# Allegro board LAY-29615_B4.brd (continued)
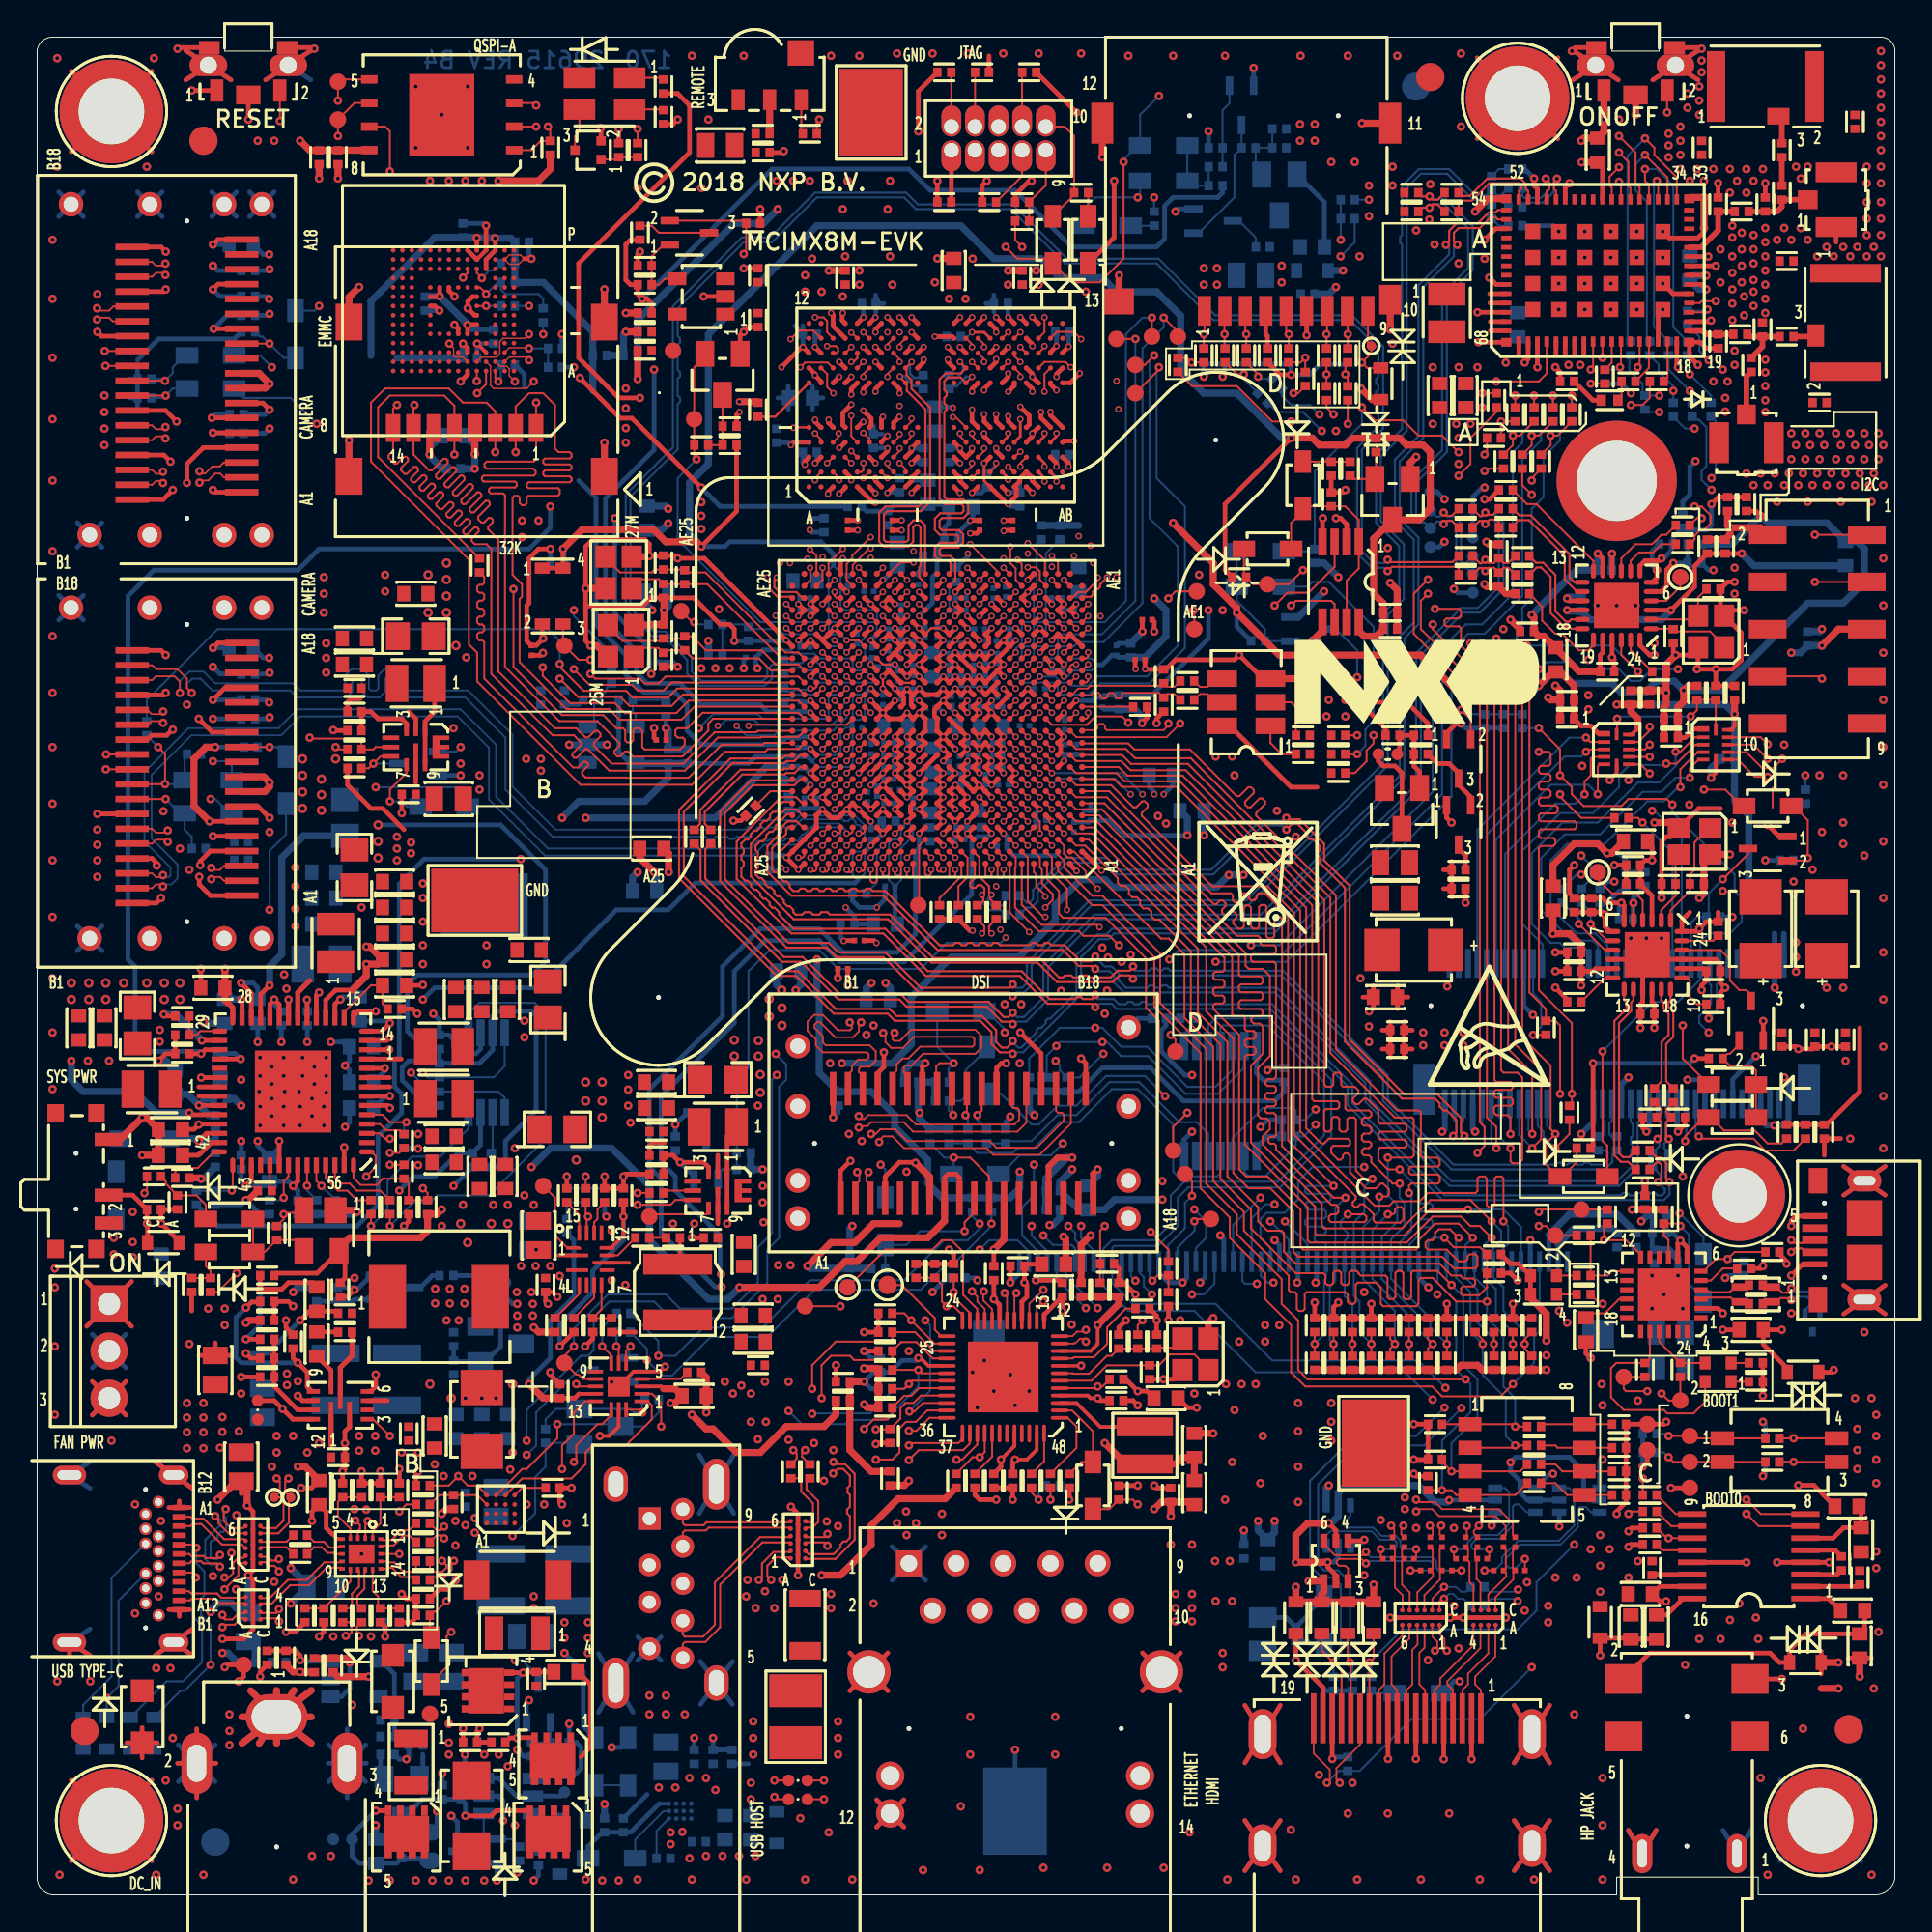
[diagram p0: board, top side]
## Nets (continued)
NVCC_3V3: C1.1 C2.1 C193.1 C194.1 C195.1 C196.1 C197.1 C198.1 C199.1 C501.1 C601.1 C602.1 C603.1 C613.1 C614.1 C617.1 C618.1 C781.1 C804.1 C915.1 C1104.1 C1206.1 C1207.1 C1307.1 C1308.2 C1309.2 C1310.2 C1325.2 C1326.2 C1327.1 C1441.1 C1510.1 C1513.1 C1516.1 C1519.1 C1523.1 C1526.1 C1528.1 C1530.1 C1601.1 C1602.1 C1607.1 C1608.1 C1609.1 C1703.1 D402.A D1003.A D1301.A(ANODE) D1703.1(ANODE1) D1703.3(ANODE2) J601.P4(VDD) J801.5(A3) J1501.A13(RX2_P) J1501.A14(RX2_N) J1502.A13(RX2_P) J1502.A14(RX2_N) J1503.A13(RX2_P) J1503.A14(RX2_N) L1104.2 L1201.1 Q701.3(DRAIN) Q1402.2(SOURCE) Q1602.2(SOURCE) R101.1 R301.1 R302.1 R303.1 R304.1 R305.1 R306.1 R307.1 R308.1 R402.1 R403.1 R405.1 R508.1 R509.1 R620.1 R731.1 R801.2 R802.2 R803.2 R804.2 R805.2 R806.2 R807.2 R808.2 R809.2 R810.2 R811.2 R812.2 R813.2 R814.2 R815.2 R816.2 R823.1 R824.2 R917.1 R920.1 R1109.2 R1205.1 R1206.1 R1223.1 R1322.1 R1323.1 R1343.1 R1346.1 R1401.1 R1402.1 R1457.1 R1460.1 R1463.1 R1606.1 R1607.1 R1609.1 R1610.1 R1702.1 R1703.1 R1704.1 R1716.1 R1803.2 TP1701.1(TP) U101.D8(NVCC_UART) U101.E3(NVCC_SAI3) U101.F5(NVCC_ECSPI) U101.H7(NVCC_I2C) U101.J7(NVCC_SAI2) U101.K3(NVCC_SAI1_2) U101.L3(NVCC_SAI1_1) U101.L18(NVCC_NAND1) U101.M3(NVCC_SAI5) U101.M18(NVCC_NAND2) U101.R5(NVCC_GPIO1) U101.R6(NVCC_GPIO2) U101.W4(NVCC_JTAG) U601.E6(VCC1) U601.F5(VCC2) U601.J10(VCC3) U601.K9(VCC4) U603.8(VCC) U702.55(VDDIO) U802.5(2A) U907.3(VDD) U1101.15(AVDD) U1201.4(VDD33) U1301.1(SWREG_IN1) U1301.2(SWREG_IN2) U1301.5(VDDIO_GPIO1) U1301.6(VDDIO_GPIO0) U1301.7(VDD_3P3_1) U1301.8(VDD_3P3_2) U1301.25(VDD_FEM1) U1301.26(VDD_FEM2) U1301.43(VDDIO_XTAL) U1501.14(VCCB) U1502.7(VCCB) U1601.1(IN) U1601.3(EN) Y501.6(VCC)
NVCC_DRAM_1V1: C18.1 C35.1 C36.1 C103.1 C139.1 C140.1 C153.1 C154.1 C155.1 C156.1 C157.1 C158.1 C159.1 C160.1 C161.1 C162.1 C163.1 C164.1 C175.1 C176.1 C177.1 C206.1 C207.1 C208.1 C209.1 C210.1 C211.1 C212.1 C213.1 C214.1 C215.1 C217.1 C218.1 C767.1 R203.1 R204.1 R206.1 R207.1 R209.1 SH703.2 U101.AA10(NVCC_DRAM2) U101.AA15(NVCC_DRAM4) U101.AB3(NVCC_DRAM6) U101.AB8(NVCC_DRAM5) U101.AB17(NVCC_DRAM3) U101.AB23(NVCC_DRAM1) U101.AC3(NVCC_DRAM10) U101.AC6(NVCC_DRAM13) U101.AC8(NVCC_DRAM12) U101.AC14(NVCC_DRAM7) U101.AC17(NVCC_DRAM8) U101.AC20(NVCC_DRAM9) U101.AC23(NVCC_DRAM11) U101.AD5(NVCC_DRAM16) U101.AD18(NVCC_DRAM15) U101.AD21(NVCC_DRAM14) U101.Y12(NVCC_DRAM18) U101.Y14(NVCC_DRAM17) U201.A4(VDD2_A4) U201.A9(VDD2_A9) U201.AA3(VDDQ_AA3) U201.AA5(VDDQ_AA5) U201.AA8(VDDQ_AA8) U201.AA10(VDDQ_AA10) U201.AB4(VDD2_AB4) U201.AB9(VDD2_AB9) U201.B3(VDDQ_B3) U201.B5(VDDQ_B5) U201.B8(VDDQ_B8) U201.B10(VDDQ_B10) U201.D1(VDDQ_D1) U201.D5(VDDQ_D5) U201.D8(VDDQ_D8) U201.D12(VDDQ_D12) U201.F3(VDDQ_F3) U201.F5(VDD2_F5) U201.F8(VDD2_F8) U201.F10(VDDQ_F10) U201.H1(VDD2_H1) U201.H5(VDD2_H5) U201.H8(VDD2_H8) U201.H12(VDD2_H12) U201.K1(VDD2_K1) U201.K3(VDD2_K3) U201.K10(VDD2_K10) U201.K12(VDD2_K12) U201.N1(VDD2_N1) U201.N3(VDD2_N3) U201.N10(VDD2_N10) U201.N12(VDD2_N12) U201.R1(VDD2_R1) U201.R5(VDD2_R5) U201.R8(VDD2_R8) U201.R12(VDD2_R12) U201.U3(VDDQ_U3) U201.U5(VDD2_U5) U201.U8(VDD2_U8) U201.U10(VDDQ_U10) U201.W1(VDDQ_W1) U201.W5(VDDQ_W5) U201.W8(VDDQ_W8) U201.W12(VDDQ_W12) U702.30(VINREFDDR)
NVCC_ENET_2V5: C3.1 R1201.2 U101.T18(NVCC_ENET)
NVCC_SD2: C191.1 C1603.1 C1604.1 R101.2 R1601.1 R1602.1 R1612.1 TP1601.1(TP) U101.N23(NVCC_SD2) U1601.5(OUT)
NVCC_SNVS_3V3: C101.1 C406.1 C720.1 C801.1 C802.1 R409.1 R415.1 R419.1 R723.1 R755.2 R847.1 U101.W18(NVCC_SNVS) U704.4(VCC) U801.3(VCC) U802.8(VCC) Y403.1(VIO) Y403.4(VDD)
NWDOG: C726.1 U101.R4(GPIO1_IO02)
ODT_CA_A: R206.2 U201.G2(ODT_CA_A)
ODT_CA_B: R207.2 U201.T2(ODT_CA_B)
ONOFF: D801.A R419.2 SW1701.2 TP401.1(TP) U101.W21(ONOFF)
PCIE1_NCLKREQ: D1304.C R307.2 U101.F8(I2C4_SCL)
PCIE1_REF_CLKN: R1332.2 R1339.1 U101.K24(PCIE1_REF_PAD_CLK_N)
PCIE1_REF_CLKP: R1331.2 R1338.1 U101.K25(PCIE1_REF_PAD_CLK_P)
PCIE1_REQ: Q1301.3(DRAIN) U1302.22(C\K\P\W\R\G\D\_\P\D\)
PCIE1_RXN: L1309.1 R1355.1 U101.H24(PCIE1_RXN_N)
PCIE1_RXP: L1308.1 R1354.1 U101.H25(PCIE1_RXN_P)
PCIE1_TXN: C1305.1 U101.J24(PCIE1_TXN_N)
PCIE1_TXP: C1304.1 U101.J25(PCIE1_TXN_P)
PCIE2_NCLKREQ: D1402.C R308.2 U101.F9(I2C4_SDA)
PCIE2_REF_CLKN: R1422.2 R1426.1 U101.F24(PCIE2_REF_PAD_CLK_N)
PCIE2_REF_CLKN_CN: J1401.49(REFCLK_N0) R1424.2 R1426.2 R1428.1
PCIE2_REF_CLKP: R1421.2 R1425.1 U101.F25(PCIE2_REF_PAD_CLK_P)
PCIE2_REF_CLKP_CN: J1401.47(REFCLK_P0) R1423.2 R1425.2 R1427.1
PCIE2_RXN: J1401.43(PER_N0) U101.D24(PCIE2_RXN_N)
PCIE2_RXP: J1401.41(PER_P0) U101.D25(PCIE2_RXN_P)
PCIE2_TXN: C1420.1 U101.E24(PCIE2_TXN_N)
PCIE2_TXP: C1421.1 U101.E25(PCIE2_TXN_P)
PCIE_NCLKREQ: D1401.C J1401.53(C\L\K\R\E\Q\0\) R1415.2
PCIE_NDIS: D1404.C J1401.56(W\_\D\I\S\A\B\L\E\1\) R1459.1 U101.C5(ECSPI2_SCLK)
PCIE_NRST: J1401.52(P\E\R\S\T\0\) U101.B5(ECSPI2_MISO)
PCIE_NWAKE: J1401.55(P\E\W\A\K\E\0\) R1416.2 U101.E5(ECSPI2_MOSI)
PCIE_REQ: Q1401.3(DRAIN) U1401.22(C\K\P\W\R\G\D\_\P\D\)
PG_SEQ0: R762.1 U701.3(PG)
PHY_CLKOUT: TP1202.1(PIN1) U1201.25(CLK_25M)
PMIC_NINT: U101.N6(GPIO1_IO07) U702.1(I\N\T\)
PMIC_ON: C777.1 D703.A R714.1 R718.1 R723.2 U702.56(PWRON)
PMIC_ON_REQ: R718.2 R754.1 U101.V20(PMIC_ON_REQ)
PMIC_STBY_REQ: Q703.2(GATE) R724.2 U101.V21(PMIC_STBY_REQ)
PMIC_VCORE: C735.1 U702.49(VCORE)
PMIC_VCOREDIG: C728.1 U702.51(VCOREDIG)
PMIC_VCOREREF: C730.1 U702.52(VCOREREF)
PMIC_VDDOTP: R720.2 U702.47(VDDOTP)
POR_B: D401.A D1609.C D1704.C R401.1 TP407.1(TP) U702.3(R\E\S\E\T\M\C\U\)
PPS/GPIO: TP1201.1(PIN1) U1201.22(PPS)
PWM_LED: C780.1 Q704.2(GATE) R763.1 R1614.1 U101.K6(GPIO1_IO13)
PWR_MODE: Q703.3(DRAIN) R701.2 U705.6(MODE/VCON) U707.6(MODE/VCON)
PWR_PATH_EN: R913.2 R942.2 R943.1
QSPIA_NSS0: R620.2 U101.H19(NAND_CE0_B) U603.1(S\)
QSPIA_SCLK: TP603.1(TP) U101.G19(NAND_ALE) U603.6(C)
REF_CLK_32K: R1305.1 R1438.2 U101.T6(GPIO1_IO00)
RTC_CLK_32K768: TP408.1(TP) U101.V22(RTC) Y403.3(OUTPUT)
RX0_TOGGLE: U1701.23(GPIO1_SCI/D\T\R\_\S\C\I\)
RX1_TOGGLE: U1701.14(GPIO1_ECI/D\S\R\_\E\C\I\)
SAI1_MCLK: J1801.4 U101.A3(SAI1_MCLK)
SAI1_RXC: J1801.18 U101.K1(SAI1_RXC)
SAI1_RXD0: J1801.20 R816.1 R825.2 U101.K2(SAI1_RXD0)
SAI1_RXD1: J1801.21 R815.1 R826.2 U101.L2(SAI1_RXD1)
SAI1_RXD2: J1801.22 R814.1 R827.2 U101.H2(SAI1_RXD2)
SAI1_RXD3: J1801.23 R813.1 R828.2 U101.J2(SAI1_RXD3)
SAI1_RXD4: J1801.24 R812.1 R829.2 U101.J1(SAI1_RXD4)
SAI1_RXD5: J1801.25 R811.1 R830.2 U101.F1(SAI1_RXD5)
SAI1_RXD6: J1801.26 R810.1 R831.2 U101.G2(SAI1_RXD6)
SAI1_RXD7: J1801.27 R809.1 R832.2 U101.G1(SAI1_RXD7)
SAI1_RXFS: J1801.19 U101.L1(SAI1_RXFS)
SAI1_TXC: J1801.6 U101.E1(SAI1_TXC)
SAI1_TXD0: J1801.9 R808.1 R833.2 U101.F2(SAI1_TXD0)
SAI1_TXD1: J1801.10 R807.1 R834.2 U101.E2(SAI1_TXD1)
SAI1_TXD2: J1801.11 R822.1 R835.2 SW801.1(A1) U101.B2(SAI1_TXD2)
SAI1_TXD3: J1801.12 R805.1 R836.2 U101.D1(SAI1_TXD3)
SAI1_TXD4: J1801.13 R819.1 R837.2 SW801.2(A2) U101.D2(SAI1_TXD4)
SAI1_TXD5: J1801.14 R821.1 R838.2 SW801.3(A3) U101.C2(SAI1_TXD5)
SAI1_TXD6: J1801.15 R820.1 R839.2 SW801.4(A4) U101.B3(SAI1_TXD6)
SAI1_TXD7: J1801.16 R801.1 R840.2 U101.C1(SAI1_TXD7)
SAI1_TXFS: J1801.8 U101.H1(SAI1_TXFS)
SAI2_MCLK: R1103.1 U101.H5(SAI2_MCLK)
SAI2_RXC: R1336.1 U101.H3(SAI2_RXC)
SAI2_RXD: R1337.1 U101.H6(SAI2_RXD0)
SAI2_RXFS: R1335.1 U101.J4(SAI2_RXFS)
SAI2_TXC: R1104.1 U101.J5(SAI2_TXC)
SAI2_TXD: U101.G5(SAI2_TXD0) U1101.7(DACDAT)
SAI2_TXFS: U101.H4(SAI2_TXFS) U1101.8(LRCLK)
SAI3_MCLK: J1801.39 TP1801.1(TP) U101.D3(SAI3_MCLK)
SAI3_RXC: J1801.41 TP1802.1(TP) U101.F4(SAI3_RXC)
SAI3_RXD: J1801.44 R1318.1 R1445.2 TP804.1(TP) U101.F3(SAI3_RXD)
SAI3_RXFS: J1801.43 TP803.1(TP) U101.G4(SAI3_RXFS)
SAI3_TXC: R1319.1 R1442.2 U101.C4(SAI3_TXC)
SAI3_TXD: R1316.1 R1444.2 U101.C3(SAI3_TXD)
SAI3_TXFS: R1317.1 R1443.2 U101.G3(SAI3_TXFS)
SAI5_MCLK: J1801.29 U101.K4(SAI5_MCLK)
SAI5_RXC: J1801.31 U101.L5(SAI5_RXC)
SAI5_RXD0: J1801.34 U101.M5(SAI5_RXD0)
SAI5_RXD1: J1801.35 U101.L4(SAI5_RXD1)
SAI5_RXD2: J1801.36 U101.M4(SAI5_RXD2)
SAI5_RXD3: J1801.37 U101.K5(SAI5_RXD3)
SAI5_RXFS: J1801.33 U101.N4(SAI5_RXFS)
SBU1: J901.A8(SBU1) TVS904.2(A2)
SBU2: J901.B8(SBU2) TVS905.2(A2)
SD1_CLK: R616.1 U101.L25(SD1_CLK)
SD1_CMD: J601.P3(CMD) R602.2 U101.L24(SD1_CMD) U601.M5(CMD)
SD1_DATA0: J601.P7(DAT0) R601.2 U101.M25(SD1_DATA0) U601.A3(DAT0)
SD1_DATA1: J601.P8(DAT1) U101.M24(SD1_DATA1) U601.A4(DAT1)
SD1_DATA2: J601.P1(DAT2) U101.N25(SD1_DATA2) U601.A5(DAT2)
SD1_DATA3: J601.P2(CD/DAT3) U101.P25(SD1_DATA3) U601.B2(DAT3)
SD1_DATA4: U101.N24(SD1_DATA4) U601.B3(DAT4)
SD1_DATA5: U101.P24(SD1_DATA5) U601.B4(DAT5)
SD1_DATA6: U101.R25(SD1_DATA6) U601.B5(DAT6)
SD1_DATA7: U101.T25(SD1_DATA7) U601.B6(DAT7)
SD1_NRST: R621.1 R1530.2 U101.R24(SD1_RESET_B)
SD1_STROBE: R617.2 U101.T24(SD1_STROBE)
SD2_CLK: R1429.1 R1603.1 U101.L22(SD2_CLK)
SD2_CMD: R1430.1 R1617.1 U101.M22(SD2_CMD)
SD2_DATA0: R1431.1 R1618.1 U101.N22(SD2_DATA0)
SD2_DATA1: R1432.1 R1619.1 U101.N21(SD2_DATA1)
SD2_DATA2: R1433.1 R1620.1 U101.P22(SD2_DATA2)
SD2_DATA3: R1434.1 R1621.1 U101.P21(SD2_DATA3)
SD2_NCD: J1601.9(DET) TP1602.1(PIN1) TVS1601.2(A2) U101.L21(SD2_CD_B)
SD2_NRST: D1405.C D1608.C U101.R22(SD2_RESET_B)
SD2_VSELECT: Q1601.2(GATE) R1605.1 U101.P5(GPIO1_IO04)
SDIO_WAKE: D1510.C R1435.1 U101.M21(SD2_WP)
SPDIF_EXT_CLK: R1802.2 U101.E6(SPDIF_EXT_CLK)
SPDIF_RX: J1801.48 U101.G6(SPDIF_RX)
SPDIF_TX: J1801.47 U101.F6(SPDIF_TX)
SSRXN1: J901.B10(SSRXN1) U903.A2(CH1_IN-)
SSRXN2: J901.A10(SSRXN2) U903.A4(CH2_IN-)
SSRXP1: J901.B11(SSRXP1) U903.A1(CH1_IN+)
SSRXP2: J901.A11(SSRXP2) U903.A3(CH2_IN+)
SSTXN1: J901.A3(SSTXN1) U902.A3(CH2_IN+)
SSTXN2: J901.B3(SSTXN2) U902.A1(CH1_IN+)
SSTXP1: J901.A2(SSTXP1) U902.A4(CH2_IN-)
SSTXP2: J901.B2(SSTXP2) U902.A2(CH1_IN-)
SYS_NRST: R713.1 SW1702.2
TCPC_NINT: TP901.1(TP) U101.F21(NAND_CE2_B) U907.10(ALERT_N)
TEST_MODE: R417.1 U101.V7(TEST_MODE)
TX0_TOGGLE: U1701.24(GPIO0_SCI/D\C\D\_\S\C\I\)
TX1_TOGGLE: U1701.15(GPIO0_ECI/D\T\R\_\E\C\I)
UART1_RXD: R1714.2 TP1703.1(TP) U101.C7(UART1_RXD)
UART1_RXD_MCU: R1707.1 R1714.1 U1701.13(TXD_ECI)
UART1_TXD: R1715.2 TP1702.1(TP) U101.A7(UART1_TXD)
UART1_TXD_MCU: R1708.1 R1715.1 U1701.12(RXD_ECI)
UART2_RXD: R1712.2 TP1706.1(TP) U101.B6(UART2_RXD)
UART2_RXD_CPU: D1702.4(CATHODE2) R1712.1 U1701.21(TXD_SCI)
UART2_TXD: R1713.2 TP1705.1(TP) U101.D6(UART2_TXD)
UART2_TXD_CPU: D1702.2(CATHODE1) R1713.1 U1701.20(RXD_SCI)
UART3_CTS: R1313.1 R1448.2 U101.B4(ECSPI1_MISO)
UART3_RTS: R1312.1 R1449.2 U101.D4(ECSPI1_SS0)
UART3_RXD: R1315.1 R1447.2 U101.A6(UART3_RXD)
UART3_TXD: R1314.1 R1446.2 U101.B7(UART3_TXD)
USB1_DN: TP1708.1(PIN1) U101.B14(USB1_DN) U902.C5(CH3_OUT+)
USB1_DP: TP1707.1(PIN1) U101.A14(USB1_DP) U902.C6(CH3_OUT-)
USB1_ID: TP501.1(TP) U101.C14(USB1_ID)
USB1_RXN: C920.1 U101.B12(USB1_RX_N)
USB1_RXP: C919.1 U101.A12(USB1_RX_P)
USB1_SS_SEL: D901.C U101.K19(NAND_RE_B)
USB1_TXN: C918.1 U101.B13(USB1_TX_N)
USB1_TXP: C917.1 U101.A13(USB1_TX_P)
USB1_VBUS: R934.2 R939.1 U101.D14(USB1_VBUS) U909.1(OUT)
USB2_DN: R926.1 R1417.1 U101.B10(USB2_DN)
USB2_DP: R927.1 R1418.1 U101.A10(USB2_DP)
USB2_ID: TP502.1(TP) U101.C9(USB2_ID)
USB2_RXN: U101.B8(USB2_RX_N) U908.C3(CH2_OUT+)
USB2_RXP: U101.A8(USB2_RX_P) U908.C4(CH2_OUT-)
USB2_TXN: C921.1 U101.B9(USB2_TX_N)
USB2_TXP: C922.1 U101.A9(USB2_TX_P)
USB2_VBUS: R921.2 R938.2 U101.D9(USB2_VBUS)
USB_DBG_DM: L1703.2 R1706.2 U1701.4(D-)
USB_DBG_DM_CN: D1701.2(CATHODE2) J1701.2(D-) L1703.1 R1706.1
USB_DBG_DP: L1703.3 R1701.2 U1701.3(D+)
USB_DBG_DP_CN: D1701.1(CATHODE1) J1701.3(D+) L1703.4 R1701.1
USB_DN: J901.A7(DN1) J901.B7(DN2) U902.A5(CH3_IN+)
USB_DP: J901.A6(DP1) J901.B6(DP2) U902.A6(CH3_IN-)
USB_HOST_DN: J903.2(D-) U908.A1(CH1_IN+)
USB_HOST_DP: J903.3(D+) U908.A2(CH1_IN-)
USB_HOST_RXN: J903.5(SSRX-) U908.A3(CH2_IN+)
USB_HOST_RXP: J903.6(SSRX+) U908.A4(CH2_IN-)
USB_HOST_TXN: J903.8(SSTX-) U908.A5(CH3_IN+)
USB_HOST_TXP: J903.9(SSTX+) U908.A6(CH3_IN-)
USB_HOST_VBUS: C911.1 C912.1 J903.1(VBUS) L901.2 TVS907.2(A2)
USB_LD_NFLT: R920.2 U906.A4(F\L\T\) U907.11(FAULT_N)
USB_VBUS: C903.1 C904.1 C926.1 D903.A D905.C D908.C F902.1 J901.A4(VBUS1) J901.A9(VBUS2) J901.B4(VBUS4) J901.B9(VBUS3) R903.1 TP1709.1(TP) U906.C2(VBUS3) U906.D1(VBUS1) U906.D2(VBUS2) U907.15(VBUS)
VCAM_1V5: R725.2
VCAM_2V8: C759.1 U702.41(VGEN6)
VPCIE_3V3: C1410.1 C1411.1 C1412.1 C1413.1 C1414.1 C1415.1 C1416.1 C1417.1 C1418.1 C1419.1 C1433.1 C1434.1 C1437.1 C1438.1 C1440.1 C1442.1 J1401.2(3V3_1) J1401.4(3V3_2) J1401.72(3V3_3) J1401.74(3V3_4) Q1402.3(DRAIN) R1401.2 R1402.2 R1415.1 R1416.1 R1437.1 R1462.1 U1402.11(VCCB) U1403.11(VCCB)
VREF_1V2: C934.1 U910.3(VIN+) U910.5(VREF)
VREFDDR: C768.1 R215.2 U702.31(VREFDDR)
VSD_3V3: C1605.1 C1606.1 C1610.1 J1601.4(VDD) Q1602.3(DRAIN) R1606.2 R1608.1 TVS1602.2(A2)
VSYS: C701.1 C702.1 C703.1 C704.1 C771.1 C772.1 C773.1 C923.1 C924.1 C925.1 C929.1 C931.1 R708.1 R928.2 R929.2 R1801.2 U701.1(VIN) U706.2(VIN)
VSYS_IN: C935.1 D907.C Q901.1(S1) Q901.2(S2) Q901.3(S3) Q902.2(SOURCE) Q908.5(D) R913.1 R928.1 R929.1 R944.1
VUSB_REG_3V45: C1705.1 C1706.1 U1701.6(VDD)
WIFI_PCIE_CLKN: C1302.1 C1314.2 R1322.2 R1324.1 R1334.2 R1339.2 R1341.1 R1353.1
WIFI_PCIE_CLKP: C1301.1 C1313.2 R1323.2 R1325.1 R1333.2 R1338.2 R1340.1 R1352.1
WIFI_PCIE_NCLKREQ: D1303.C R1343.2 U1301.9(PCIE_CLKREQ_L)
WIFI_PCIE_REFCLK_N: R1353.2 U1301.52(PCIE_REFCLK_N)
WIFI_PCIE_REFCLK_P: R1352.2 U1301.51(PCIE_REFCLK_P)
WIFI_PCIE_RX_N: C1305.2 U1301.54(PCIE_RX_N)
WIFI_PCIE_RX_P: C1304.2 U1301.55(PCIE_RX_P)
WIFI_PCIE_TX_N: R1355.2 U1301.49(PCIE_TX_N)
WIFI_PCIE_TX_P: R1354.2 U1301.48(PCIE_TX_P)
WL_NPERST: U101.C6(UART4_RXD) U1301.10(PCIE_RST_L)
WL_NWAKE: R1321.1 U101.M20(NAND_DQS)
WL_REG_ON: U101.D7(UART4_TXD) U1301.23(WL_EN)
XTALI_25M: C402.1 R411.1 U101.U25(XTALI_25M) Y401.1
XTALI_27M: C404.1 R412.1 U101.V25(XTALI_27M) Y402.1
XTALO_25M: C403.1 R411.2 U101.U24(XTALO_25M) Y401.3
XTALO_27M: C405.1 R412.2 U101.V24(XTALO_27M) Y402.3
N306938: C401.1 R401.2 R409.2 U101.W20(POR_B)
N97352674: R806.1 R822.2 SW801.8(B1)
N97352678: R804.1 R819.2 SW801.7(B2)
N97352680: R803.1 R821.2 SW801.6(B3)
N97352682: R802.1 R820.2 SW801.5(B4)
N98831920: D1604.C J1601.5(CLK) R1603.2
N99468749: R1615.2 U1602.1(VOUT)
N99468751: R1610.2 U1602.2(VCC)
N99469397: D1601.4(CATHODE2) Q1605.3(COLLECTOR)
N99469401: Q1605.1(BASE) R1614.2 R1616.1
N99469439: D1601.3(ANODE2) R1609.2
N99513763: J401.7(A4) R406.1
N99515650: D402.C R404.1
N99789347: C1103.2 J1101.3 R1101.2 TVS1101.2(A2)
N99789365: C1102.1 J1101.2 R1102.2 TVS1103.2(A2)
N99799646: R1211.1 U1201.9(RBIAS)
N99975371: C906.1 U901.12(TX_CON_2+)
N99975385: C908.1 U901.11(TX_CON_2-)
N99975403: C907.2 U902.C4(CH2_OUT-)
N99975417: C905.2 U902.C3(CH2_OUT+)
N99975431: C906.2 U902.C2(CH1_OUT-)
N99975460: C908.2 U902.C1(CH1_OUT+)
N99975526: R905.2 R912.1 U901.1(CH1_SET1/RXDE)
N99975530: R906.2 R911.1 U901.4(CH1_SET2/TXEQ)
N99975542: R907.2 R910.1 U901.13(CH2_SET1/TXDE)
N99975546: R908.2 R909.1 U901.10(CH2_SET2/RXEQ)
N99976142: U901.2(RX_CON_1+) U903.C1(CH1_OUT+)
N99976173: U901.3(RX_CON_1-) U903.C2(CH1_OUT-)
N99976175: U901.9(RX_CON_2+) U903.C3(CH2_OUT+)
N99976189: U901.8(RX_CON_2-) U903.C4(CH2_OUT-)
N100755622: C905.1 U901.7(TX_CON_1-)
N100755624: C907.1 U901.6(TX_CON_1+)
N100828512: D1001.A F1001.2 R1011.1
N101008434: R941.1 U907.7(I2C_SDA)
N101008436: R940.1 U907.8(I2C_SCL)
N101008611: Q906.3(DRAIN) R931.1 U906.B4(EN)
N101008640: C913.1 U906.D4(CAP)
N101008651: C914.2 U907.4(BYPASS)
N101008668: Q905.3(DRAIN) R924.2
N101008744: D905.A U906.B1(VCP1) U906.B2(VCP2) U906.C1(VCP3)
N101008815: Q901.4(G) Q902.3(DRAIN) R916.1 R944.2
N101008879: C936.1 D907.A Q901.5(D) Q910.5(D) R935.1
N101010200: Q903.2(GATE) R914.2 U910.1(VOUT)
N101020581: F902.2 Q909.5(D)
N101061859: D904.A R917.2 R932.2 U905.A1(EN)
N101118681: D1602.C J1601.8(DAT1) R1619.2
N101118689: D1603.C J1601.7(DAT0) R1618.2
N101118780: D1605.C J1601.3(CMD) R1617.2
N101118786: D1606.C J1601.2(CD/DAT3) R1621.2
N101118794: D1607.C J1601.1(DAT2) R1620.2
N101139325: D1704.A R1704.2 U1701.9(R\S\T\)
N101139407: C1707.1 U1701.16(NC/\D\C\D\_\E\C\I\/VPP)
N101139610: R1716.2 U1701.5(VIO)
N101140451: D1702.1(ANODE1) R1703.2
N101140453: D1702.3(ANODE2) R1702.2
N101141295: D1703.4(CATHODE2) R1708.2
N101141297: D1703.2(CATHODE1) R1707.2
N101339716: D901.A R901.2 U901.16(SEL)
N101344123: R903.2 R904.1 U909.3(+IN)
N101353081: R1318.2 R1337.2 U1301.42(PCM_OUT)
N101430997: R926.2 U908.C1(CH1_OUT+)
N101431025: R927.2 U908.C2(CH1_OUT-)
N101784396: R416.2 TP409.1(TP) U101.W19(RTC_RESET_B) U401.2(R\E\S\E\T\)
N101800237: J1801.2 R1805.1
N101800242: C1801.1 C1802.1 J1801.1 R1801.1 R1804.2 R1805.2
N101814214: D1201.A R1224.2 U1201.2(R\S\T\)
N101840031: C407.1 R415.2 R416.1 U401.3(VCC)
N101896717: Q906.1(GATE) Q907.3(DRAIN) R930.2
N101902831: Q907.2(GATE) R935.2 R946.1
N101995244: C1403.1 C1422.1 C1423.1 L1401.2 U1401.11(VDD1.8_1) U1401.20(VDD1.8_2)
N101995252: C1430.1 U1401.2(X2) Y1401.3
N101995256: C1429.1 U1401.1(X1_25) Y1401.1
N101995353: C1424.1 C1425.1 C1426.1 L1402.1 U1401.3(VDDXTAL1.8) U1401.16(VDDA1.8)
N101995404: R1421.1 U1401.13(DIF0)
N101995406: TP1401.1(PIN1) U1401.4(SADR/REF1.8)
N101995408: R1422.1 U1401.14(D\I\F\0\)
N101995436: R1423.1 U1401.17(DIF1)
N101995453: R1424.1 U1401.18(D\I\F\1\)
N101995570: C1401.1 C1402.1 R1456.2 R1457.2 U1401.7(VDDDIG1.8)
N101995643: R1412.2 U1401.19(O\E\1\)
N101995645: R1411.2 U1401.12(O\E\0\)
N101995688: R1405.2 U1401.23(SS_EN_TRI)
N102026698: D1401.A D1402.A Q1401.2(GATE) R1419.2
N102081058: R841.1 R847.2 U801.2(R\E\S\E\T\)
N102081148: C803.1 D802.A R841.2
N102081821: D801.C D802.C R842.1 U802.1(1\O\E\) U802.7(2\O\E\)
N102095920: R817.2 R823.2 SW802.4(B1)
N102095936: R818.2 R824.1 SW802.3(B2)
N102134491: R504.1 U101.A11(USB1_RESREF)
N102134913: R506.1 U101.B11(USB2_RESREF)
N102135237: R501.1 U101.G25(PCIE1_RESREF)
N102135239: R502.1 U101.C25(PCIE2_RESREF)
N102135943: R503.1 U101.P1(HDMI_REXT)
N102136255: R505.1 U101.C17(MIPI_DSI_REXT)
N102189491: C19.1 C20.1 L101.1 U101.E15(MIPI_VDD1) U101.F15(MIPI_VDD2)
N102271152: R205.2 U101.AA13(ZQ / ZQ / ZQ)
N102659644: E1302.3(FEED_1) R1309.2
N102661696: E1301.3(FEED_1) R1306.2
N102729666: J1301.1(CTR) R1302.2
N102730761: R1304.2 R1309.1
N102841136: C917.2 U901.15(TX_AP_+)
N102841139: C918.2 U901.14(TX_AP_-)
N102841178: C920.2 U901.17(RX_AP_-)
N102841181: C919.2 U901.18(RX_AP_+)
N102841248: C922.2 U908.C6(CH3_OUT-)
N102841251: C921.2 U908.C5(CH3_OUT+)
N102880674: C1110.1 U1101.2(CPVOUTN)
N102887128: C1111.2 U1101.14(VMID)
N102887637: R1101.1 U1101.16(LINEVOUTR)
N102887640: R1102.1 U1101.1(LINEVOUTL)
N102889416: C1109.1 U1101.5(CPCA)
N102889418: C1109.2 U1101.3(CPCB)
N102889692: R1109.1 U1101.12(AIFMODE)
N102889696: R1103.2 U1101.10(MCLK)
N102889754: R1104.2 U1101.9(BCLK)
N102924137: R510.1 Y501.4(Q)
N102924140: R511.1 Y501.5(Q\)
N102924518: R508.2 Y501.1(OE)
N103556037: D1501.A J1501.A11(SIDEBAND_5) R1521.2
N103556044: D1508.A J1501.B8(SIDEBAND_0) R1520.2
N103556052: D1509.A J1501.B9(SIDEBAND_1) R1519.2
N103556123: J1501.B10(SIDEBAND_2) R1502.1
N103556124: J1501.B11(SIDEBAND_6) R1501.1
N103592100: J802.2 R843.2
N103620554: R747.1 U706.15(FREQ)
N103620610: C798.1 D706.C(CATHODE) R708.2 SW701.2(COM) U701.12(EN)
N103620792: C705.2 L701.1 R703.1 U701.7(SW)
N103620806: R704.1 U701.8(BST)
N103620818: C705.1 R704.2
N103621061: R702.2 R705.2 R709.1 U701.11(FB)
N103621063: C712.1 R703.2 R705.1
N103621294: R706.2 R707.1 U701.6(MODE)
N103621414: C787.2 L709.1 U706.9(SW)
N103621426: L702.1 U702.8(SW1ALX) U702.9(SW1BLX)
N103621824: R731.2 U706.4(EN)
N103621960: C727.1 Q702.2(GATE) R715.2
N103622061: C788.1 R749.1 U706.7(BIAS)
N103622250: C731.1 C732.1 C733.1 C734.1 L702.2 SH701.1 U702.6(SW1FB)
N103622993: R719.1 U702.53(SDA)
N103622995: R721.1 U702.54(SCL)
N103623013: R724.1 U702.4(STANDBY)
N103623028: R722.1 U702.5(ICTEST)
N103623139: C789.1 R744.2 R745.1 R746.1
N103623211: C793.1 U706.13(SS)
N103623424: TP704.1(TP) U706.1(MODE)
N103623433: R743.1 U706.10(BST)
N103623437: C787.1 R743.2
N103623474: R744.1 U706.14(FB)
N103623492: C789.2 R745.2 R748.2
N103623566: C747.1 R725.1 U702.16(VGEN1)
N103623739: C763.2 U702.42(LICELL)
N103623826: C756.2 D704.C(CATHODE) R756.2 U702.40(VIN3)
N103623850: C767.2 C770.1 U702.29(VHALF)
N103623981: C764.1 R757.1 U702.43(VSNVS)
N103625600: Q1603.3(DRAIN) R1608.2
N103625608: D1608.A D1609.A R1612.2 R1613.1
N103625614: C1607.2 Q1602.1(GATE) R1607.2 R1611.1
N103625632: Q1603.2(GATE) Q1604.3(DRAIN) R1611.2
N103625713: C1611.1 Q1604.2(GATE) R1613.2
N103625807: Q1601.3(DRAIN) R1602.2
N103625812: Q1601.1(SOURCE) R1601.2 R1604.1 U1601.4(ADJ)
N103635764: C722.1 C723.1 C724.1 L710.2 R752.1 SH708.1 U705.2(OUT)
N103635890: L710.1 U705.1(SW1) U705.9(SW2)
N103636004: D703.C U705.7(PG)
N103636036: R752.2 R753.1 U705.3(FB)
N103636723: C714.1 C725.1 C769.1 C778.1 L706.2 R710.1 R764.1 SH709.1 U707.2(OUT)
N103636825: L706.1 U707.1(SW1) U707.9(SW2)
N103636841: R714.2 U707.5(EN)
N103636936: TP701.1(TP) U707.7(PG)
N103636955: C714.2 Q704.1(SOURCE) R710.2 R711.1 U707.3(FB)
N103650219: C741.1 C742.1 C795.1 L704.2 SH703.1 U702.25(SW2FB)
N103650238: C760.1 C761.1 C797.1 L707.2 SH706.1 U702.19(SW4FB)
N103650295: L704.1 U702.22(SW2LX)
N103650305: C744.1 C745.1 C752.1 C753.1 L705.2 SH704.1 U702.38(SW3AFB)
N103650457: C738.1 C739.1 C794.1 L703.2 SH702.1 U702.13(SW1CFB)
N103650494: L707.1 U702.21(SW4LX)
N103650496: L703.1 U702.11(SW1CLX)
N103650498: L705.1 U702.35(SW3BLX) U702.36(SW3ALX)
N103653484: R716.2 R754.2 U704.2(R\E\S\E\T\) U705.5(EN)
N103653503: C726.2 D702.C R717.1
N103653528: C721.1 D701.C R713.2
N103709276: C781.2 C799.2 Q701.1(GATE) R712.2 R761.1
N103766552: R1445.1 U1402.7(B4)
N103766554: R1443.1 U1402.9(B2)
N103766556: R1444.1 U1402.8(B3)
N103766558: R1442.1 U1402.10(B1)
N103794018: D1503.A J1502.A11(SIDEBAND_5) R1505.2
N103794466: D1506.A J1502.B9(SIDEBAND_1) R1507.2
N103794467: D1502.A J1502.B8(SIDEBAND_0) R1506.2
N103805249: D1507.A J1503.B9(SIDEBAND_1) R1510.2 R1530.1
N103805251: D1505.A J1503.B8(SIDEBAND_0) R1509.2
N103805253: D1504.A J1503.A11(SIDEBAND_5) R1508.2
N103823981: R1447.1 U1403.9(B2)
N103823983: R1448.1 U1403.8(B3)
N103823994: R1446.1 U1403.10(B1)
N103823996: R1449.1 U1403.7(B4)
N103824335: D1403.A R1450.2 R1451.1 U1402.12(O\E\) U1403.12(O\E\)
N103937829: R732.2 U706.6(PG)
N103959207: R902.2 R933.1 U909.4(-IN)
N104086960: C146.2 L104.2 U101.V18(VDDA_0P9)
N104210444: TP201.1(TP) U101.AB14(MTEST / MTEST / MTEST)
N104210445: TP202.1(TP) U101.AC13(MTEST1 / MTEST1(ALERT_N) / MTES)
N104225839: L901.1 U905.C2(VBUS1) U905.D1(VBUS2) U905.D2(VBUS3)
N104227606: D904.C U905.A2(F\A\U\L\T\)
N104229370: R937.1 U905.A3(ILIM)
N104238302: D1601.1(ANODE1) R1622.2
N104270741: J1801.3 R1804.1
N104271750: J1801.46 R1802.1 R1803.1
N104279466: R1452.2 U1401.8(SCLK_3.3)
N104279469: R1453.2 U1401.9(SDATA_3.3)
N104332864: R509.2 Y501.2(NC)
N104354797: D704.A(ANODE) D705.C(CATHODE)
N104367931: R758.1 R759.1 U703.4(ADJ)
N104519577: J401.9(A5) R407.1 R418.1
N104595634: Q1001.3(D2) R1012.2
N104595636: Q1001.6(D1) R1013.2
N104595703: Q1002.3(D2) R1014.2
N104595705: Q1002.6(D1) R1015.2
N104599354: Q1003.3(D2) R1016.2
N104599356: Q1003.6(D1) R1017.2
N104599400: Q1004.3(D2) R1018.2
N104599402: Q1004.6(D1) R1019.2
N104602033: D1003.C R1007.1
N104641222: C1324.1 U1302.2(X2) Y1301.3
N104641229: D1303.A D1304.A Q1301.2(GATE) R1342.2
N104641254: R1326.2 U1302.8(SCLK_3.3)
N104641256: R1327.2 U1302.9(SDATA_3.3)
N104641294: C1315.1 C1316.1 R1346.2 R1347.2 U1302.7(VDDDIG1.8)
N104641488: C1317.1 C1318.1 C1319.1 L1306.2 U1302.11(VDD1.8_1) U1302.20(VDD1.8_2)
N104641498: C1323.1 U1302.1(X1_25) Y1301.1
N104641573: C1320.1 C1321.1 C1322.1 L1307.1 U1302.3(VDDXTAL1.8) U1302.16(VDDA1.8)
N104641614: R1331.1 U1302.13(DIF0)
N104641616: TP1301.1(PIN1) U1302.4(SADR/REF1.8)
N104641618: R1332.1 U1302.14(D\I\F\0\)
N104641620: R1333.1 U1302.17(DIF1)
N104641622: R1334.1 U1302.18(D\I\F\1\)
N104641742: R1329.2 U1302.19(O\E\1\)
N104641744: R1328.2 U1302.12(O\E\0\)
N104641776: R1330.2 U1302.23(SS_EN_TRI)
N104763313: R1344.2 R1345.2 U1302.5(GNDREF)
N104764716: R1454.2 R1455.2 U1401.5(GNDREF)
N104960202: R760.2 R762.2 U703.3(EN)
N104978637: Q702.3(DRAIN) R761.2
N105003630: Q1404.3(DRAIN) R1462.2
N105003644: C1441.2 C1442.2 Q1402.1(GATE) R1460.2 R1461.1
N105003650: Q1403.3(DRAIN) Q1404.2(GATE) R1461.2
N105003668: C1439.1 Q1403.2(GATE) R1458.1 R1459.2
N105090550: J1401.20(U\A\R\T\_\W\A\K\E\) R1441.1
N105095140: C1421.2 J1401.35(PET_P0)
N105095143: C1420.2 J1401.37(PET_N0)
N105095283: J1401.50(SUSCLK) R1438.1
N105182437: C929.2 C930.1
N105182502: C931.2 C932.1
N105218199: J1201.2 R1227.2
N105359085: Q903.3(DRAIN) R918.1 R943.2
N105570556: J1401.54(W\_\D\I\S\A\B\L\E\2\) Q1405.3(DRAIN) R1437.2
N105650032: R1315.2 U1301.35(BT_UART_TXD)
N105650042: R1314.2 U1301.36(BT_UART_RXD)
N105650060: R1313.2 U1301.37(BT_UART_CTS)
N105650062: R1312.2 U1301.38(BT_UART_RTS)
N105650269: R1319.2 R1336.2 U1301.41(PCM_CLK)
N105650335: R1317.2 R1335.2 U1301.39(PCM_SYNC)
N105651086: R1305.2 U1301.17(LF_CLK_IN)
N105661554: L1301.2 U1301.66(SWREG_OUT1) U1301.67(SWREG_OUT2)
N105661568: L1301.1 U1301.63(SWREG_FB1) U1301.64(SWREG_FB2)
N105661695: R1316.2 U1301.40(PCM_IN)
N105706707: R1321.2 U1301.11(PCIE_WAKE_L)
N105706864: R1350.2 U1301.15(BT_LED)
N105706866: D1301.C(CATHODE) R1350.1
N105714351: Q704.3(DRAIN) R764.2
N105738540: C1328.1 L1309.2
N105738554: C1329.1 L1308.2
N105742342: R1356.2 U1301.12(GPS_COEX_WOW)
N105916681: R1320.2 U1301.22(BT_EN)
N105946737: R1351.2 U1301.14(BT_WAKEUP_HOST)
N106048338: C935.2 Q908.4(G) Q909.4(G) R918.2 R919.1
N106061331: Q908.1(S1) Q908.2(S2) Q908.3(S3) Q909.1(S1) Q909.2(S2) Q909.3(S3) R919.2
N106073648: Q902.1(GATE) R942.1
N106076307: C933.1 D910.C(CATHODE) R947.2 U910.6(VS+)
N106079136: R936.1 R946.2 U910.4(VIN-)
N106113334: D1405.A R1436.1
N106166151: C937.1 F901.2 Q910.1(S1) Q910.2(S2) Q910.3(S3) R948.1
N106166194: C936.2 C937.2 Q910.4(G) R948.2 R949.1
N106168740: D902.C D903.C R947.1
N106625744: R1529.2 U1501.8(OE)
N106628163: R1528.2 U1502.6(OE)

Pads without a net: J801 4 6 7 9 10; J1101 5 6; J1401 6 16 38 40 42 44 46 48 59 61 62 64 65 66 67 68 70 71 73; J1502 A10; J1503 A10; J1701 4; SW701 3; U101 AA12 AB10 AB12 AB15 AB16 AC10 AC11 AC12 AC15 AD15 AE11 AE13 AE15; U201 A1 A2 A11 A12 AA1 AA12 AB1 AB2 AB11 AB12 B1 B12 G11 K5 K8 N5 N8; U601 A1 A2 A7 A8 A9 A10 A11 A12 A13 A14 B1 B7 B8 B9 B10 B11 B12 B13 B14 C1 C3 C5 C7 C8 C9 C10 C11 C12 C13 C14 D1 D2 D3 D4 D12 D13 D14 E1 E2 E3 E5 E8 E9 E10 E12 E13 E14 F1 F2 F3 F10 F12 F13 F14 G1 G2 G3 G10 G12 G13 G14 H1 H2 H3 H12 H13 H14 J1 J2 J3 J12 J13 J14 K1 K2 K3 K6 K7 K10 K12 K13 K14 L1 L2 L3 L12 L13 L14 M1 M2 M3 M7 M8 M9 M10 M11 M12 M13 M14 N1 N3 N6 N7 N8 N9 N10 N11 N12 N13 N14 P1 P2 P7 P8 P9 P10 P11 P12 P13 P14; U701 4; U702 2 33 44 46; U705 4; U706 5; U707 4; U1201 42 43 45 46; U1301 13 31 32 33 44 45 46 57 58 59 60 61 69 82 83 84; U1501 6 9; U1701 10 11 18 19 22

## Via types
v1: diameter 0.457, hole 0.203, TOP to BOTTOM, 1974 vias
v2: diameter 0.356, hole 0.203, TOP to BOTTOM, 711 vias
v3: diameter 0.508, hole 0.254, TOP to BOTTOM, 54 vias
